# KiCad board Neptune.kicad_pcb (continued)
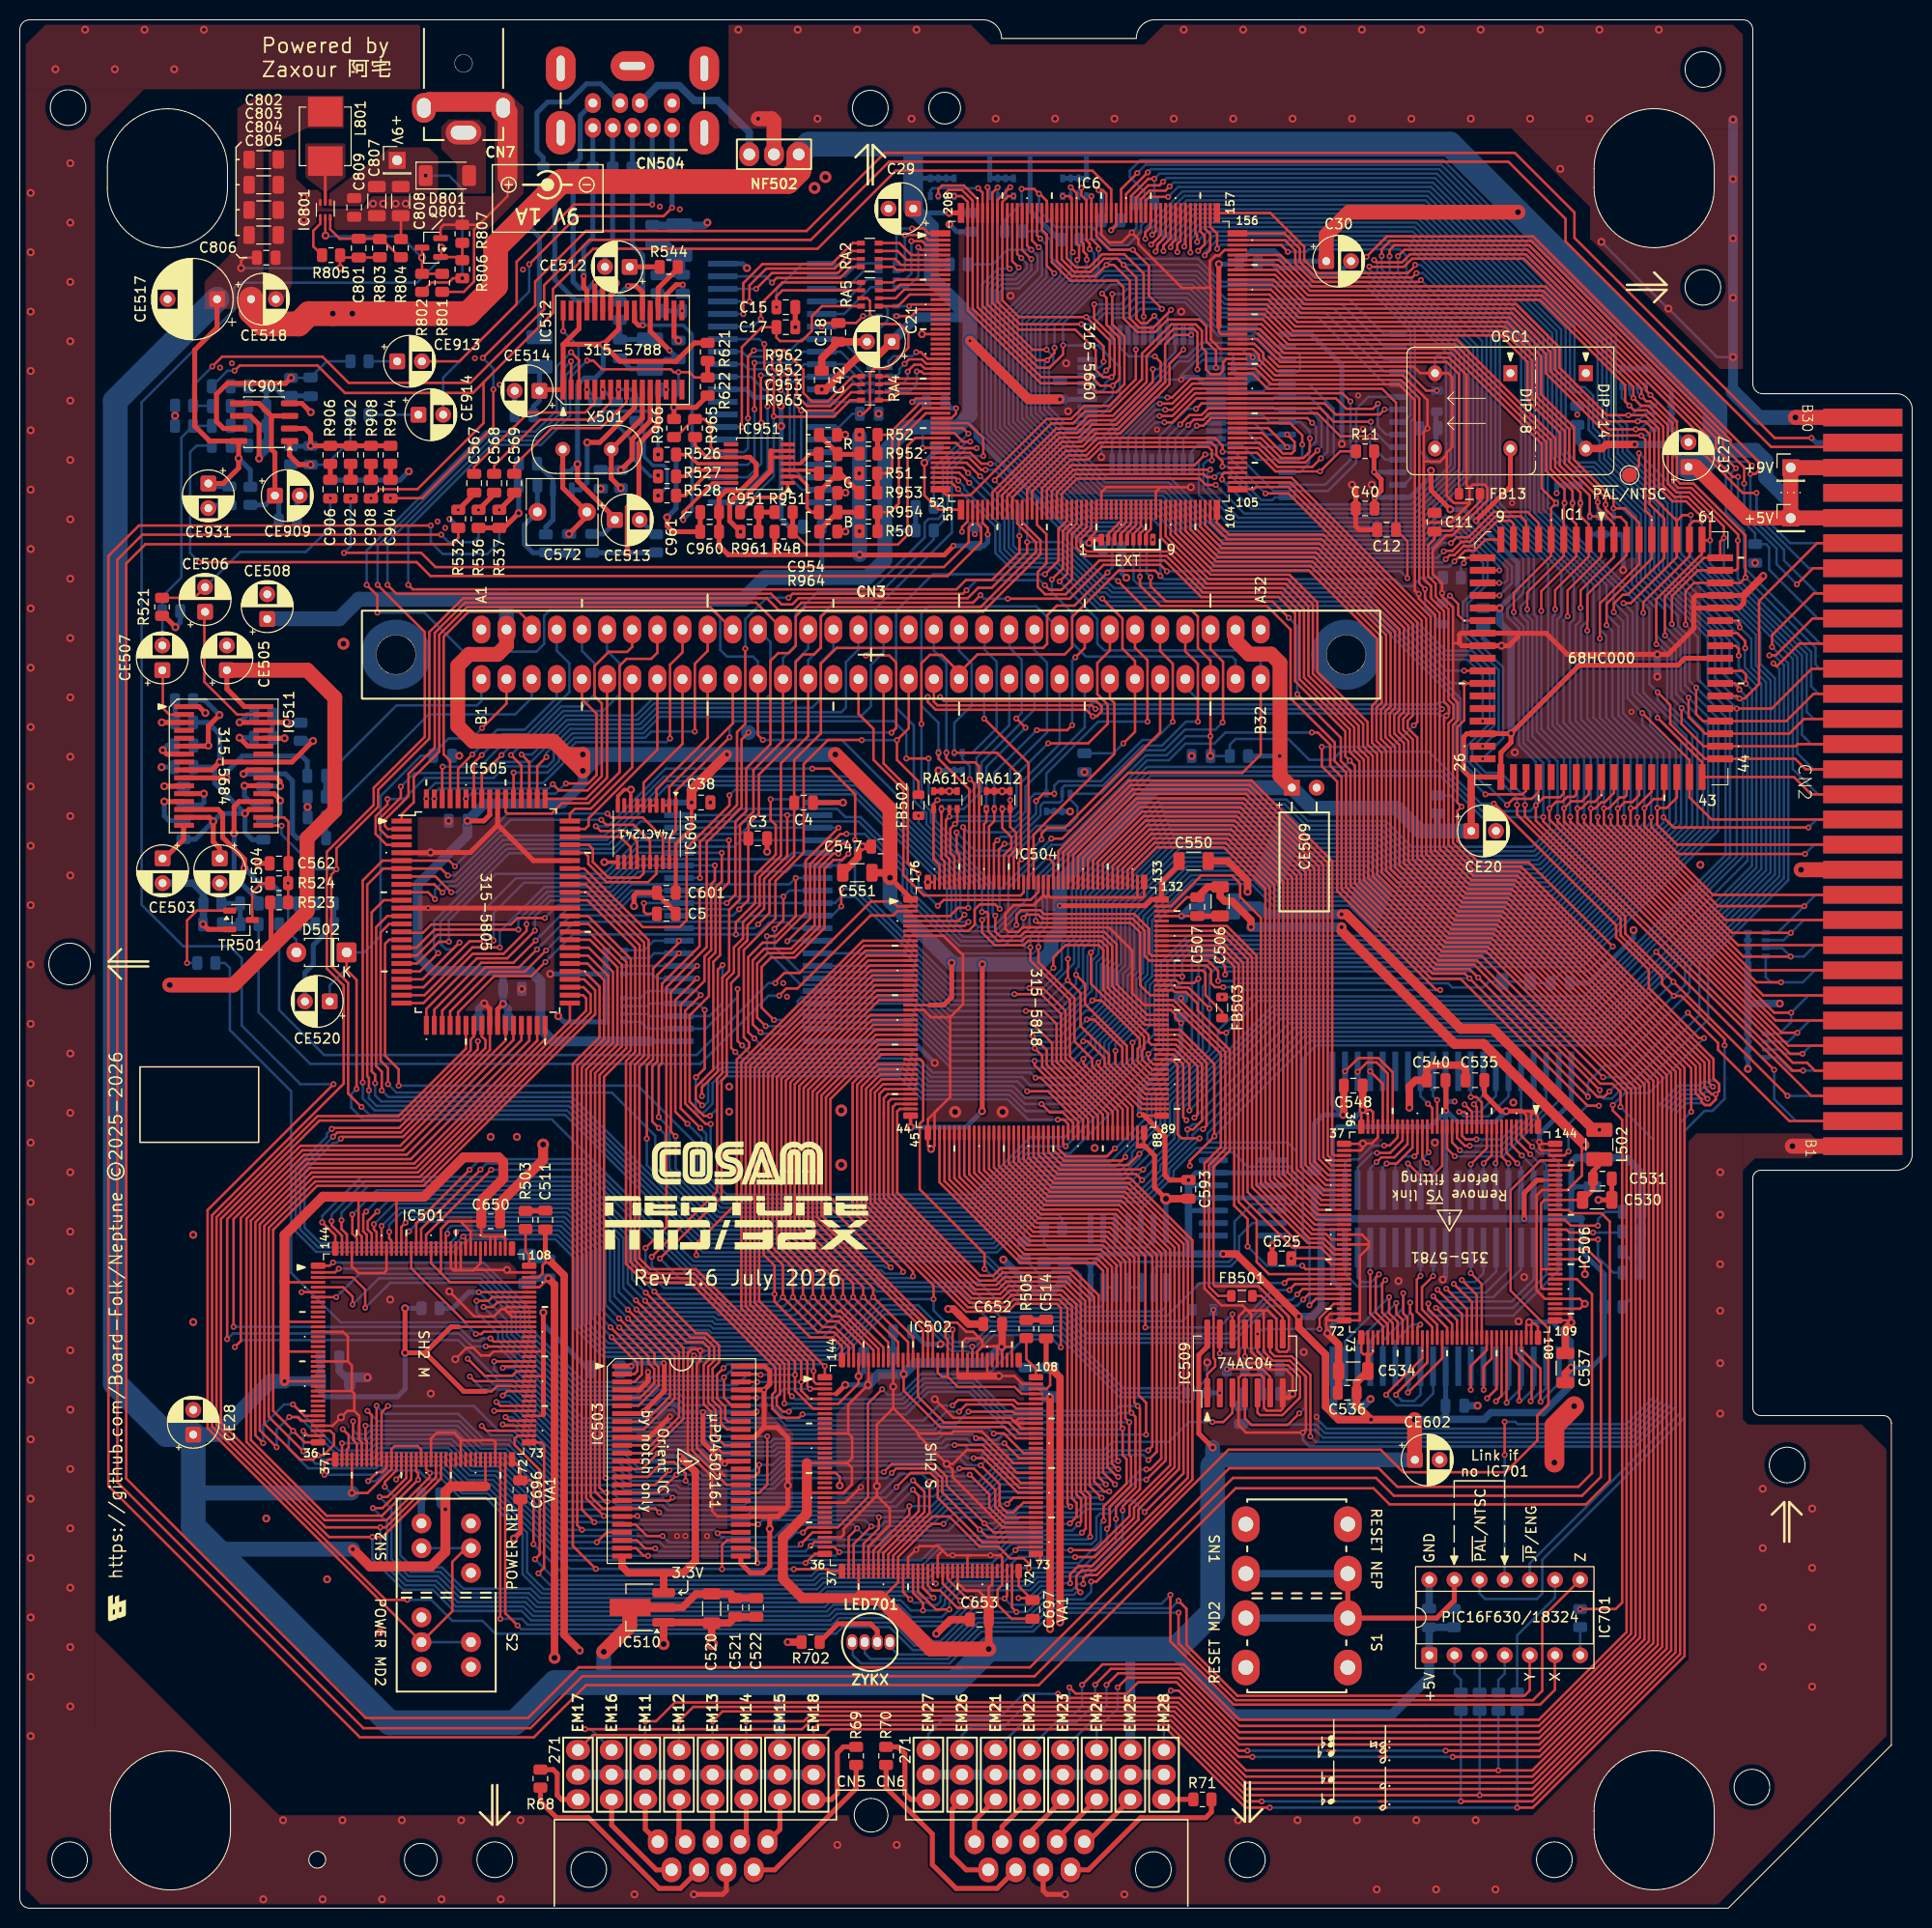
[diagram p0: board, top side]
## Routing (per net, layer and track width the routed paths; a pad name or vN(x,y) marks a point on that pad's centre or on a via; arc(x,y) is an arc through that point) (continued)
~{SHSIRL2}: length 43.5
  Top w0.25: IC504.28 86.49,88.3 80.55,82.36 80.55,69.87 91.75,58.67 IC502.127
~{SHSIRL3}: length 42.8
  Top w0.25: IC502.126 92.25,58.81 81,70.06 81,82.17 86.63,87.8 IC504.29
~{SHWAIT}: length 123.5
  Top w0.25: v1(96.6,47.52) 97.23,47.52 100.76,44 IC502.89 ; IC504.55 96.92,74.47 102.57,68.83 110.17,68.83 113.05,65.95 113.05,51.85 113.8,51.1 v1(113.8,47.88) ; v1(47.92,55.28) IC501.89
  Bottom w0.25: v1(113.8,47.88) 99.29,47.88 98.76,47.35 96.77,47.35 v1(96.6,47.52) 96.22,47.9 93.24,47.9 92.79,47.45 76.16,47.45 75.78,47.08 70.21,47.08 69.56,47.72 56.14,47.72 50.01,53.85 48.53,53.85 47.92,54.45 v1(47.92,55.28)
~{TIME}: length 34
  Top w0.25: 106.28,141.15 106.28,140.11 105.4,139.24 105.4,135.45 v1(104.28,134.32)
  Bottom w0.25: v1(104.28,134.32) 104.28,133.03 106.33,130.97 106.33,127.92 107.72,126.53 122.47,126.53 122.84,126.16 CN3.b31
~{UDS}: length 85.2
  Top w0.25: v1(104.52,165.28) 103.75,166.04 103.75,169.2 103.28,169.68 103.28,171.88 ; v1(143.87,137.17) 143.92,137.23 144.71,137.23 144.71,137.23 144.75,137.23 145.67,138.14 146.54,138.14 149.1,140.7 150.82,140.7 151.68,140.7 152.18,140.19 IC1.7
  Bottom w0.25: v1(143.87,137.17) 143.2,136.5 120.51,136.5 115.11,141.9 108.7,141.9 100.38,150.23 100.38,160.89 104.52,165.03 v1(104.52,165.28)
~{UWR}: length 302.5
  Top w0.25: v1(128.21,130.45) 126.56,132.1 115.8,132.1 114.25,133.65 v1(114.25,134.55) ; 101.28,171.88 101.28,167.63 v1(102.2,166.71) ; v1(121.78,94.38) 121.78,95.22 120.7,96.3 IC504.121 114.35,96.3 114.1,96.55 114.1,99 112.6,100.5 103.49,100.5 103.09,100.89 101.14,100.89 100.7,100.45 v1(100.7,99.4) ; v1(160.61,82.56) 160.05,82 159.42,82 v1(147.35,94.08) 146.5,94.93 142.93,94.93 134.45,103.4 134.45,114.99 133.48,115.97 133.48,118.32 v1(129.07,122.73) ; CN2.b22 181.14,130.38 177.41,126.65 v1(176.77,126.65)
  Bottom w0.25: v1(100.7,99.4) 99.05,97.75 95.12,97.75 90.1,102.77 90.1,105.15 84.94,110.31 83.42,110.31 82.6,111.12 72.6,111.12 71.97,110.5 IC2.39 ; v1(102.2,166.71) 102.2,165.61 100.8,164.2 99.21,164.2 98.57,163.57 98.57,149.48 107.96,140.1 113.03,140.1 113.85,139.28 113.85,134.95 v1(114.25,134.55) ; v1(128.21,130.45) 129.07,129.59 v1(129.07,122.73) 128.55,122.2 119.01,122.2 117.76,123.45 CN3.b29 ; v1(121.78,94.38) 122.1,94.7 146.72,94.7 v1(147.35,94.08) ; v1(176.77,126.65) 177.25,126.65 178.23,125.67 178.23,104.13 178.17,104.06 178.17,104.06 169.7,95.59 169.7,90.28 162.8,83.38 161.43,83.38 v1(160.61,82.56)
~{VPA}: length 70.5
  Top w0.25: IC6.47 95.66,146.12 v1(97.03,144.76)
  Bottom w0.25: v1(147.8,120.01) 147.8,124.65 146.23,126.23 143.71,126.23 136.94,133 110.36,133 109.9,133.46 109.31,133.46 105.42,137.35 100.77,137.35 100.38,137.75 100.38,141.41 v1(97.03,144.76)
~{VRES}: length 175.4
  Top w0.25: IC504.119 119.9,95.3 120.35,94.85 120.35,93.53 120.76,93.11 v1(121.59,93.11) ; 147.8,123.82 145.95,123.82 v1(145.94,123.83) 145.94,120.09 145.25,119.4 145.25,111.78 v1(145.67,111.35) 145.25,110.93 145.25,107.88 147.4,105.73 152.45,105.73 v1(160.95,97.22) ; v1(111.5,117.75) 112.68,118.93 CN3.b27 112.68,126.07 111.41,127.34 111.41,130.35 v1(109.38,132.39) ; v1(95.94,144.09) 94.9,145.12 IC6.49
  Bottom w0.25: v1(121.59,93.11) 122.79,93.11 123.17,93.5 144.31,93.5 144.73,93.08 147.83,93.08 148.42,93.68 D699.2 D699.1 152.75,93.53 C553.1 155.87,94.7 158.42,94.7 v1(160.95,97.22) ; v1(145.94,123.83) 144.67,123.83 136.39,132.1 109.66,132.1 v1(109.38,132.39) 109.11,132.39 105.05,136.45 100.4,136.45 99.47,137.37 99.47,140.55 v1(95.94,144.09) ; C594.2 110.5,116.75 v1(111.5,117.75) ; R611.2 144.54,112.49 v1(145.67,111.35)
~{VSYNC}: length 179
  Top w0.25: v1(63.85,65.85) 70.45,72.46 70.45,83.88 70.97,84.4 70.97,94.06 71.67,94.76 71.67,100.91 72.76,102 72.76,109.48 74.12,110.85 74.12,115.05 77.12,118.04 CN3.b13 ; v1(96.03,148.26) 95.29,148.26 94.42,149.12 IC6.41 ; v1(129.07,62.05) 129.62,62.6 IC506.66
  Bottom w0.25: v1(129.07,62.05) 128.52,61.5 126.22,61.5 122.33,57.61 107.74,57.61 105.6,59.75 99.1,59.75 96.05,62.8 86.76,62.8 86.41,63.15 65.62,63.15 63.85,64.92 v1(63.85,65.85) ; v1(96.03,148.26) 95.68,148.26 93.28,145.85 93.28,140.93 92.8,140.45 91.82,140.45 91.42,140.05 91.42,138.57 85.9,133.05 80.6,133.05 78.4,130.85 78.4,127.68 77.12,126.39 CN3.b13
~{WAIT}: length 27.6
  Top w0.25: v1(117.56,157.55) 116.17,156.16 116.17,154.06 111.18,149.07 108.71,149.07 107.41,147.77 105.45,147.77 100.28,142.6 100.28,141.15
  Bottom w0.25: IC4.21 v1(117.56,157.55)
~{WE0}: length 16.2
  Bottom w0.25: 86.78,161.95 87.4,161.95 87.67,161.68 87.67,160.5 86.85,159.67 86.85,152.85 86.27,152.27 IC7.12
~{WRES}: length 158.8
  Top w0.25: v1(161.72,81) 161.72,82.52 160.9,83.35 159.69,83.35 147.21,95.83 143.3,95.83 135.35,103.77 135.35,115.91 134.38,116.89 134.38,119.16 129.3,124.24 129.3,131.09 127.39,133 119.56,133 115.86,136.7 107.61,136.7 106.75,137.56 106.75,138.59 107.78,139.61 107.78,141.15 ; 150.03,49.22 v1(150.03,45.83)
  Bottom w0.25: v1(150.03,49.18) 151.1,49.18 151.35,48.93 162.32,48.93 165.04,51.64 165.04,77.69 v1(161.72,81) ; 150.02,33.19 150.03,33.2 v1(150.03,45.83)
~{XAS}: length 130.1
  Top w0.25: v1(85.07,118.08) 85.05,118.1 81.65,118.1 79.2,115.65 79.2,106.7 76.35,103.85 76.35,100.05 73.15,96.85 73.15,88.05 73.7,87.5 73.7,87.05 72.45,85.8 72.45,71.3 68.36,67.21 v1(68.36,66.03) ; CN3.b18 89.82,119.27 v1(88.62,118.08) 88.62,116.09 90.8,113.91 FB502.1
  Bottom w0.25: v1(88.62,118.08) v1(85.07,118.08) ; v1(68.36,66.03) 68.53,65.85 97.81,65.85 102.11,61.55 106.34,61.55 107.57,60.32 115.32,60.32 115.8,60.8 IC516.8
~{XRESET}: length 309.2
  Top w0.25: v1(34.53,81) 33.17,82.35 33.17,93.54 31.47,95.24 31.47,104.5 v1(32,105.03) 32,107.13 36.2,111.34 36.2,113.07 41.38,118.24 41.38,129.01 44.79,132.43 75.47,132.43 76.7,131.2 78.2,131.2 78.97,131.98 96.3,131.98 v1(97.06,132.74) ; v1(99.82,132.38) 106.07,132.38 109.5,135.8 115.24,135.8 v1(115.89,135.15) ; v1(26.45,109.43) 26.42,109.45 24.62,109.45 IC511.17 ; v1(119.2,77.83) 117.39,77.83 116.97,78.24 116.97,85.22 116.4,85.8 IC504.100 ; v1(140.2,134.45) 140.2,138.2 C12.1 139.05,152.2 137.65,153.6 126.1,153.6 124.57,155.12 IC6.128
  Bottom w0.25: v1(26.45,109.43) 26.45,108.55 29.97,105.03 v1(32,105.03) ; v1(115.89,135.15) 139.5,135.15 v1(140.2,134.45) ; v1(34.53,81) 35.32,80.2 55.1,80.2 69,66.3 98.72,66.3 103.79,71.37 113.31,71.37 116.12,74.19 116.12,74.73 119.2,77.8 v1(119.2,77.83) ; v1(97.06,132.74) 97.42,132.38 v1(99.82,132.38)
~{YS0}: length 234.5
  Top w0.25: v1(55.7,157.3) 56.5,156.5 IC512.3 ; v1(159.55,81.12) 158.4,81.12 145.58,93.95 142.63,93.95 133.55,103.03 133.55,114.35 132.4,115.5 132.4,117.6 131.15,118.85 v1(130.54,118.85) ; CN3.b12 74.58,118.6 v1(75.07,118.1) ; v1(36.12,130.98) 36.12,132.7 v1(35.05,133.78) ; 155.12,76.1 156.08,76.1 v1(156.47,76.5)
  Bottom w0.25: v1(35.05,133.78) 35.05,137.25 47.07,149.28 52.1,149.28 54.25,151.43 54.25,155.85 v1(55.7,157.3) ; v1(159.55,81.12) 158.35,81.12 156.47,79.25 v1(156.47,76.5) ; CN3.b12 74.58,126.02 74.07,126.53 71.45,126.53 70.78,127.2 70.78,130.45 70.03,131.2 53.53,131.2 52.97,130.65 52.97,127.8 52.2,127.03 44.82,127.03 40.88,130.98 v1(36.12,130.98) ; v1(130.54,118.85) 121.81,118.85 120.69,117.73 117.78,117.73 116.09,116.04 113.91,116.04 105.37,107.5 104.24,107.5 99.88,103.14 99.88,100.75 98.32,99.2 96.88,99.2 96.5,99.58 96.5,103.41 89.53,110.38 89.53,111.62 83.05,118.1 v1(75.07,118.1)
~{YS}: length 192.3
  Top w0.25: v1(63.22,66.75) 65.33,68.86 65.33,93.1 69.4,97.17 69.4,107.75 72.92,111.28 72.92,118.15 v1(73.62,118.85) ; IC506.67 130.25,62.1 v1(129.67,61.53) ; v1(85.49,126.64) 87.84,126.64 88.55,125.93 88.55,119.3 v1(88.07,118.83) ; v1(97.35,146.8) 97.35,148.6 95.82,150.12 IC6.39
  Bottom w0.25: v1(85.49,126.64) 86,127.15 86,130.9 94.17,139.07 94.17,145.48 95.49,146.8 v1(97.35,146.8) ; v1(88.07,118.83) 88.05,118.85 v1(73.62,118.85) ; v1(129.67,61.53) 129.05,60.9 126.25,60.9 122.51,57.16 107.55,57.16 105.41,59.3 98.07,59.3 95.03,62.35 86.58,62.35 86.23,62.7 65.1,62.7 63.22,64.58 v1(63.22,66.75)
~{ZBAK}: length 28.3
  Top w0.25: v1(114.47,155.57) 114.47,154.28 110.62,150.43 108.15,150.43 106.85,149.12 104.89,149.12 98.78,143.01 98.78,141.15
  Bottom w0.25: IC4.20 116.76,157.31 115.03,155.57 v1(114.47,155.57)
~{ZBR}: length 29.2
  Top w0.25: 99.78,141.15 99.78,142.74 105.26,148.22 107.22,148.22 108.53,149.53 110.99,149.53 115.72,154.25 115.72,158.09 116.67,159.04 v1(118.36,159.04)
~{ZRAM}: length 51.1
  Top w0.25: v1(121.52,147.24) 121.52,147.85 120.75,148.62 108.9,148.62 107.6,147.32 105.69,147.32 101.78,143.41 101.78,141.15
  Bottom w0.25: v1(121.52,147.24) 122.71,147.24 126.68,143.27 132.17,143.27 135.03,146.12 135.03,151.55 136.26,152.79 138.75,152.79
~{ZRD}: length 65
  Top w0.25: 105.28,171.88 105.28,166.67 106.52,165.43 108.22,165.43 109.54,166.75 110.9,166.75 v1(111.53,166.12) 112.81,164.84 112.81,160.7 113.28,160.23 113.88,160.23 v1(114.62,160.98)
  Bottom w0.25: v1(111.53,166.12) 119.04,166.12 121.21,163.95 136.03,163.95 140.51,159.47 140.51,150.93 139.83,150.25 IC5.22 ; IC4.18 115.16,160.44 v1(114.62,160.98)
~{ZRES}: length 37.5
  Top w0.25: 98.28,141.15 98.28,143.15 104.7,149.57 106.67,149.57 107.97,150.88 110.43,150.88 113.85,154.29 113.85,156.93 116.59,159.67 118.62,159.67 118.98,159.3 v1(118.98,155.56)
  Bottom w0.25: IC4.23 119.55,156.54 118.98,155.98 v1(118.98,155.56)
~{ZWR}: length 77.5
  Top w0.25: v1(116.32,161.57) 114.53,159.78 113.1,159.78 112.15,160.73 112.15,164.53 110.55,166.12 v1(109.8,166.12) 108.65,164.98 106.34,164.98 104.78,166.54 104.78,171.88
  Bottom w0.25: v1(116.32,161.57) 115.96,161.21 IC4.19 ; IC5.27 139.86,143.9 140.55,144.58 140.55,150.33 140.96,150.74 140.96,159.66 136.22,164.4 121.4,164.4 119.05,166.75 110.42,166.75 v1(109.8,166.12)
Net-(C511-Pad1): length 2
  Top w0.5: R503.2 53.06,70.49 C511.1
Net-(C514-Pad1): length 2
  Top w0.5: C514.1 103.66,59.46 R505.2
Net-(C526-Pad1): length 11.2
  Top w0.25: v1(121.25,56.07) 121.25,58.54
  Bottom w0.25: v1(121.25,56.07) 122.81,56.07 123.34,56.6 124.88,56.6 125.49,55.99 125.49,52.04 C526.1
Net-(C530-Pad1): length 20.4
  Top w0.25: 155.12,64.6 153.7,64.6 ; 153.7,64.6 153.7,71.25 154.05,71.6 C530.1 ; 153.7,64.6 153.7,62.8 153.9,62.6 155.12,62.6
  Top w0.5: 159.5,75.58 159.5,75.05 158.95,74.5 C531.1 158.95,72.65 C530.1
Net-(C554-Pad1): length 5.9
  Bottom w0.5: R514.2 C588.1 22.26,99.51 R513.2 C554.1
Net-(C555-Pad1): length 5.8
  Bottom w0.5: R516.2 C590.1 28.06,99.51 R515.2 C555.1
Net-(C564-Pad1): length 10.7
  Bottom w0.35: v2(64.49,146.95) 64.49,150.57 63.73,151.32 59.07,151.32 C564.1
Net-(C565-Pad1): length 7.8
  Bottom w0.35: C565.1 60.22,150.05 62.1,148.18 62.1,146.38 63.72,144.75 R527.2
  vias: v2(64.49,144.85)
Net-(C566-Pad1): length 9.9
  Bottom w0.35: C566.1 63.07,149.6 63.07,146.75 63.97,145.85 65.07,145.85 65.4,145.53 65.4,143.71 v2(64.49,142.8)
Net-(C567-Pad1): length 2.5
  Top w0.5: C567.1 45.91,142.97 v1(44.3,141.36) 44.19,141.36
Net-(C568-Pad1): length 2.5
  Top w0.5: C568.1 47.93,142.94 v1(46.35,141.36) 46.21,141.36
Net-(C569-Pad1): length 2.6
  Top w0.5: 48.24,141.36 v1(48.45,141.36) 49.95,142.87 C569.1
Net-(C570-Pad2): length 11.4
  Bottom w0.5: C570.2 C572.2 50.97,139.82 50.97,137.9 51.85,137.03 C571.1
Net-(C571-Pad2): length 10.3
  Top w0.5: X501.1 54.86,147.47 54.86,143.59 C572.1 57.3,140.73 v2(55.5,138.93)
Net-(C574-Pad1): length 5
  Bottom w0.5: R545.2 60.62,158.6 C574.1 60.66,158.59 L605.1
Net-(C577-Pad2): length 7.9
  Bottom w0.5: R547.2 66.95,165.09 66.99,165.12 66.99,166.77 L604.1 65.49,168.28 C578.1
Net-(C901-Pad2): length 1.8
  Bottom w0.25: C901.2 R901.1
Net-(C902-Pad2): length 1.6
  Top w0.5: C902.2 R902.1
Net-(C903-Pad2): length 1.8
  Bottom w0.25: C903.2 R903.1
Net-(C904-Pad2): length 1.6
  Top w0.5: C904.2 R904.1
Net-(C905-Pad2): length 1.8
  Bottom w0.25: C905.2 R905.1
Net-(C906-Pad2): length 1.6
  Top w0.5: R906.1 C906.2
Net-(C907-Pad2): length 1.8
  Bottom w0.25: C907.2 R907.2
Net-(C908-Pad2): length 1.6
  Top w0.5: C908.2 R908.1
Net-(C911-Pad2): length 20.2
  Top w0.5: IC901.7 20.59,149.59 19.88,150.3 19.88,153.05 20.98,154.15 26.85,154.15 v2(27.41,154.7)
  Bottom w0.25: R917.1 31.01,156.38 29.34,154.7 v2(27.41,154.7)
Net-(C912-Pad2): length 13.6
  Top w0.5: v2(29.38,145.93) 28.2,145.93 27.26,146.87 27.26,148.31
  Bottom w0.25: R918.1 33.41,148.39 30.95,145.93 v2(29.38,145.93)
  Bottom w0.5: v2(29.38,145.93) 29.34,145.97 R916.2
Net-(C951-Pad1): length 3.6
  Top w0.5: R951.2 C951.1 74.67,139.19 R961.1
Net-(C952-Pad1): length 4.9
  Top w0.5: 84.78,146.97 82.64,146.97 C952.1 82.61,147.08 R962.1
Net-(C953-Pad1): length 6
  Top w0.5: 82.6,145.05 82.88,145.05 84.81,143.11 R953.2 84.74,143.1 84.61,142.98 ; R963.1 80.78,143.18 82.62,145.03 C953.1
Net-(C954-Pad1): length 4.9
  Top w0.5: R964.1 80.78,139.28 C954.1 R954.2
Net-(CE512-Pad1): length 3
  Top w0.5: R544.2 64.65,165.93 CE512.1
Net-(CE513-Pad2): length 2.2
  Bottom w0.5: 62.67,140.34 64.13,138.89 R549.2
Net-(CE913-Pad1): length 2.9
  Bottom w0.25: CE913.1 R917.2
Net-(CE914-Pad1): length 5
  Bottom w0.25: R918.2 CE914.1
Net-(CN5-Pin_1): length 4.8
  Top w0.5: CN5.1 63.2,7.98 EM11.1
Net-(CN5-Pin_2): length 4.5
  Top w0.5: CN5.2 66.6,7.35 EM12.1
Net-(CN5-Pin_3): length 4.3
  Top w0.5: EM13.1 70,6.72 CN5.3
Net-(CN5-Pin_4): length 4.5
  Top w0.5: CN5.4 73.4,7.34 EM14.1
Net-(CN5-Pin_5): length 4.8
  Top w0.5: CN5.5 76.8,7.97 EM15.1
Net-(CN5-Pin_6): length 10.5
  Top w0.5: EM16.1 59.8,8.4 64.32,3.88 CN5.6
Net-(CN5-Pin_7): length 21.8
  Top w0.5: R68.2 52.6,10.8 54.25,9.15 57.45,9.15 64.6,2 66.74,2 CN5.7
Net-(CN5-Pin_9): length 16.2
  Top w0.5: CN5.9 76.28,3.88 84.5,12.1 R69.2
  Bottom w0.5: 74.18,3.9 CN5.9
Net-(CN6-Pin_1): length 5.2
  Top w0.5: CN6.1 96.47,8.87 EM21.1
Net-(CN6-Pin_2): length 5.4
  Top w0.5: CN6.2 99.24,8.24 EM22.1
Net-(CN6-Pin_3): length 5.7
  Top w0.5: EM23.1 102.01,7.61 CN6.3
Net-(CN6-Pin_4): length 5.9
  Top w0.5: EM24.1 104.78,6.98 CN6.4
Net-(CN6-Pin_5): length 6.4
  Top w0.5: CN6.5 107.92,6.72 EM25.1
Net-(CN6-Pin_6): length 10.4
  Top w0.5: EM26.1 94.2,10 94.2,5.3 95.62,3.88 CN6.6
Net-(CN6-Pin_7): length 22.2
  Top w0.5: R70.2 87.53,12.18 92.2,7.5 92.2,4.4 94.6,2 98.75,2 CN6.7
Net-(CN6-Pin_9): length 18.5
  Top w0.5: CN6.9 107.98,3.88 113.25,9.15 119.83,9.15 120.4,9.72 R71.2
  Bottom w0.5: 106.56,3.49 CN6.9
Net-(CN504-Pin_1): length 16.1
  Bottom w0.5: FB515.2 52.88,176.07 52.88,176.98 52.25,177.6 52.25,181.5 53.32,182.57 55.4,182.57 57.25,184.43 58.71,184.43 CN504.1
Net-(CN504-Pin_2): length 16
  Bottom w0.75: CN504.2 64.42,184.25 66.62,184.25 68.12,182.75 70.5,182.75 73.7,179.55 NF502.1
Net-(CN504-Pin_3): length 7.2
  Bottom w0.5: CN504.3 56.62,181.21 56.62,176.82 FB514.2
Net-(CN504-Pin_4): length 3.9
  Top w0.5: 59.9,179.98 CN504.4
  Bottom w0.5: FB516.2 59.9,179.98
Net-(CN504-Pin_5): length 3.9
  Top w0.5: 61.9,179.98 CN504.5
  Bottom w0.5: FB517.2 61.9,179.98
Net-(CN504-Pin_7): length 3.9
  Top w0.5: 57.9,179.98 CN504.7
  Bottom w0.5: FB513.2 57.9,179.98
Net-(CN504-Pin_8): length 3.9
  Top w0.5: 63.9,179.98 CN504.8
  Bottom w0.5: FB511.2 63.9,179.98
Net-(CN504-Pin_9): length 3.9
  Top w0.5: 65.9,179.98 CN504.9
  Bottom w0.5: FB510.2 65.9,179.98
Net-(D502-A): length 18.2
  Top w0.25: IC511.18 26.7,110.27 27.14,109.83 C562.2 27.11,105.59 v1(27.11,103.62) R523.1
  Bottom w0.25: v1(27.11,103.62) 27.11,103.62 27.11,98.72 27.94,97.89 D502.2
Net-(EM17-Pad1): length 6.3
  Top w0.5: EM17.1 54.72,11 54.3,11.42 54.3,13.6 53.89,14.01 R68.1
Net-(EM18-Pad1): length 8.9
  Top w0.5: R69.1 83.21,16.31 82.6,15.7 82.6,11.59 82.01,11 EM18.1
Net-(EM27-Pad1): length 8.8
  Top w0.5: R70.1 88.74,16.31 89.42,15.62 89.42,11.59 90.02,11 EM27.1
Net-(EM28-Pad1): length 3
  Top w0.5: EM28.1 R71.1
Net-(FB501-Pad1): length 5.2
  Top w0.25: FB501.1 125.42,61.9 127.6,59.73 127.6,58.54
Net-(FB505-Pad2): length 9.3
  Top w0.25: 119.98,51.62 119.98,53.97 120.78,54.77 120.78,55.44 120.61,55.62 120.61,60.47 v1(120.59,60.49)
Net-(FB506-Pad1): length 1.8
  Top w0.5: v1(121.25,52.1) 121.25,51.62
  Bottom w0.5: FB506.1 119.97,52.1 v1(121.25,52.1)
Net-(IC1-AS): length 85.7
  Top w0.25: 153.46,138.36 153.46,140.05 152.35,141.15 151.01,141.15 151,141.15 148.92,141.15 146.36,138.59 145.19,138.59 144.61,138.01 144.61,138 v1(144.61,138)
  Bottom w0.25: v1(144.61,138) 143.66,138 142.61,136.95 120.69,136.95 115.29,142.35 108.89,142.35 100.82,150.42 100.82,160.7 105.14,165.02 105.14,165.94 104.17,166.91 104.17,168.6 103.25,169.53 R75.1
Net-(IC1-CLK): length 6.1
  Top w0.25: v1(144.49,132.69) 145.33,131.85 145.33,130.73 145.89,130.17 IC1.15
  Bottom w0.25: v1(144.49,132.69) FB7.2
Net-(IC1-DTACK): length 3.9
  Top w0.25: IC1.10 146.22,136.51 145.91,136.2 v1(145.91,135.98)
  Bottom w0.25: R74.2 145.61,135.68 v1(145.91,135.98)
Net-(IC6-/CAS1): length 6.7
  Top w0.25: RA5.5 88.72,161.95 89.9,163.12 IC6.13
Net-(IC6-/OE1): length 4.7
  Top w0.25: v1(88.57,160.95) 90.07,160.95 90.75,161.62 IC6.16
Net-(IC6-/RAS1): length 6.6
  Top w0.25: IC6.12 89.36,163.62 88.49,162.75 RA5.6
Net-(IC6-/SC): length 6.5
  Top w0.25: RA5.7 88.38,163.55 88.95,164.12 IC6.11
Net-(IC6-/SE0): length 6.3
  Top w0.25: IC6.10 88.53,164.62 88.25,164.35 RA5.8
Net-(IC6-/WE0): length 4.5
  Top w0.25: v1(89.85,161.95) 90.03,162.12 IC6.15
  Bottom w0.25: v1(89.85,161.95) RA3.3
Net-(IC6-AD0): length 6.6
  Top w0.25: IC6.26 91.72,156.62 91.05,157.3 v1(90.57,157.3)
  Bottom w0.25: v1(90.57,157.3) 90.17,156.9 88.28,156.9 87.77,156.4 RA6.5
Net-(IC6-AD1): length 6.4
  Top w0.25: IC6.27 91.59,156.12 91.14,156.57 89.85,156.57 v1(89.4,156.13)
  Bottom w0.25: RA6.6 88.65,154.95 88.88,155.18 88.88,155.6 89.4,156.12 v1(89.4,156.13)
Net-(IC6-AD2): length 6.6
  Top w0.25: v1(89.71,155.33) 89.71,155.38 90.36,156.03 91.05,156.03 91.45,155.62 IC6.28
  Bottom w0.25: v1(89.71,155.33) 89.71,154.61 89.25,154.15 RA6.7
Net-(IC6-AD3): length 7
  Top w0.25: IC6.29 91.32,155.12 91.09,155.35 v1(90.62,155.35)
  Bottom w0.25: RA6.8 89.95,153.35 90.62,154.03 v1(90.62,155.35)
Net-(IC6-AD4): length 6.3
  Top w0.25: IC6.30 87.95,154.62 87.72,154.85 RA4.8
Net-(IC6-AD5): length 6.3
  Top w0.25: IC6.31 86.88,154.12 RA4.7
Net-(IC6-AD6): length 6.4
  Top w0.25: IC6.32 88.12,153.62 87.75,153.25 RA4.6
Net-(IC6-AD7): length 6.5
  Top w0.25: IC6.33 88.5,153.12 87.82,152.45 RA4.5
Net-(IC6-EDCLK): length 36
  Top w0.25: IC6.135 125.05,158.62 127.37,156.3 144.19,156.3 145.41,155.08 FB13.1
Net-(IC6-SD0): length 7.8
  Top w0.25: IC6.1 91.82,169.3 91.32,169.8 v1(90.15,169.8)
  Bottom w0.25: RA1.5 88.57,169.18 89.19,169.8 v1(90.15,169.8)
Net-(IC6-SD1): length 8.2
  Top w0.25: v1(89.42,169.15) 91.28,169.15 91.8,168.62 IC6.2
  Bottom w0.25: RA1.6 89.2,165.48 89.42,165.7 v1(89.42,169.15)
Net-(IC6-SD2): length 8.1
  Top w0.25: v1(90.07,168.53) 91.15,168.53 91.55,168.12 IC6.3
  Bottom w0.25: v1(90.07,168.53) 90.07,165.25 89.5,164.68 88.57,164.68
Net-(IC6-SD3): length 8
  Top w0.25: IC6.4 91.05,167.62 v1(90.78,167.9)
  Bottom w0.25: RA1.8 89.7,163.88 90.78,164.95 v1(90.78,167.9)
Net-(IC6-SD4): length 6.7
  Top w0.25: RA2.8 88.88,168.32 90.07,167.12 IC6.5
Net-(IC6-SD5): length 6.6
  Top w0.25: IC6.6 89.6,166.62 88.7,167.53 RA2.7
Net-(IC6-SD6): length 6.5
  Top w0.25: IC6.7 89.05,166.12 88.45,166.73 RA2.6
Net-(IC6-SD7): length 6.4
  Top w0.25: RA2.5 88.28,165.93 88.57,165.62 IC6.8
Net-(IC6-SPA/B): length 11.9
  Top w0.25: v1(95.85,149.07) 95.29,149.62 IC6.40
  Bottom w0.25: v1(95.85,149.07) 92.34,145.55 R12.2
Net-(IC501-CAP1): length 3.9
  Top w0.25: R503.1 51.1,66.4 51.46,66.04 IC501.108
Net-(IC501-FTOA): length 16.1
  Top w0.25: IC501.97 44.97,59.28 39.55,64.7 IC501.129
Net-(IC502-CAP1): length 4.4
  Top w0.25: IC502.108 102.66,54.54 101.7,55.5 R505.1
Net-(IC502-FTOA): length 17.1
  Top w0.25: IC502.97 100.97,48 99.88,49.1 93.38,49.1 90.75,51.72 IC502.129
Net-(IC504A-AVDD): length 8.6
  Top w0.25: IC504.129 C507.1
  Top w0.5: C507.1 C506.1
  Bottom w0.75: L501.2 118.38,101.28 117.38,100.28
  vias: v1(117.38,100.3)
Net-(IC504A-CKIO): length 48.9
  Top w0.25: v1(97.47,64.62) 97.47,66.12 90.92,72.68 90.92,79.3 91.28,79.65 91.28,85.55 91.03,85.8 IC504.33
  Bottom w0.25: v1(97.47,64.62) 97.52,64.62 101.5,60.65 105.97,60.65 107.27,59.35 117.47,59.35 118.47,60.35 FB505.1
Net-(IC504A-OVA19): length 76.3
  Top w0.25: v1(41.95,102) 41.25,102.7 IC505.10 ; v1(95.82,101.12) 94.8,101.12 93.97,100.3 IC504.4
  Bottom w0.25: v1(95.82,101.12) 95.82,103.45 84.87,114.4 79.91,114.4 79.91,114.4 65.08,114.4 59.12,108.45 48.64,108.45 43.97,103.78 42.78,103.78 41.95,102.95 v1(41.95,102)
Net-(IC504A-OVA20): length 74.8
  Top w0.25: IC504.5 94.83,99.8 v1(95.45,100.42) ; IC505.9 41.88,103.5 v1(42.7,102.68)
  Bottom w0.25: v1(42.7,102.68) 42.7,102.68 43.34,103.33 44.15,103.33 48.82,108 59.31,108 65.26,113.95 84.68,113.95 95.03,103.61 95.03,100.84 v1(95.45,100.42)
Net-(IC504A-OVA21): length 76
  Top w0.25: v1(95.85,99.7) 95.45,99.3 IC504.6 ; v1(43.6,102.7) 42,104.3 IC505.8
  Bottom w0.25: v1(95.85,99.7) 95.07,99.7 94.57,100.2 94.57,103.42 84.5,113.5 65.45,113.5 59.5,107.55 49.01,107.55 44.16,102.7 v1(43.6,102.7)
Net-(IC504A-VCLK): length 35.7
  Top w0.25: FB501.2 121.09,61.9 120.15,62.84 120.15,75.11 121.8,76.76 121.8,86.57 116.57,91.8 IC504.112
Net-(IC504A-~{ASEL}): length 9.8
  Top w0.25: FB503.2 121.47,90.62 119.8,92.3 119.8,94.5 119.5,94.8 IC504.118
Net-(IC504A-~{AS}): length 38.8
  Top w0.25: IC504.108 113.79,89.8 110.38,93.21 110.38,97.26 109.39,98.25 101.71,98.25 101.26,97.8 98.8,97.8 97.85,98.75 97.85,100.53 97.67,100.71 v1(97.22,100.71)
  Bottom w0.25: v1(97.22,100.71) 97.22,103.33 90.8,109.74 v1(90.8,110.44)
Net-(IC504A-~{SEL}): length 76.3
  Top w0.25: IC505.58 57.03,105.1 62.95,99.18 66.67,99.18 67.38,99.88 67.38,107.18 71.7,111.5 v1(71.7,112.5) ; v1(103.87,106.25) 104.42,105.7 104.42,103.72
  Bottom w0.25: v1(103.87,106.25) 101.78,104.16 101.78,102.01 98.51,98.75 95.39,98.75 94.12,100.01 94.12,103.24 84.31,113.05 72.25,113.05 v1(71.7,112.5)
Net-(IC504B-ACCS): length 47.7
  Top w0.25: v1(128.88,67.57) 124.05,72.4 124.05,95.93 121.68,98.3 IC504.125 ; v1(128.46,65.69) 128.47,65.68 131.91,65.68 132.49,65.1 IC506.61
  Bottom w0.25: v1(128.46,65.69) 128.88,66.11 v1(128.88,67.57)
Net-(IC504B-AD0): length 56.8
  Top w0.25: IC506.54 130.7,68.6 125.85,73.45 125.85,103.05 121.65,107.25 114.88,107.25 112.42,104.8 112.42,103.72
Net-(IC504B-AD1): length 57.6
  Top w0.25: 111.92,103.72 111.92,104.94 114.69,107.7 121.84,107.7 126.3,103.24 126.3,73.64 130.84,69.1 IC506.53
Net-(IC504B-AD2): length 58.3
  Top w0.25: IC506.52 130.97,69.6 126.75,73.82 126.75,103.43 122.03,108.15 114.5,108.15 111.42,105.07 111.42,103.72
Net-(IC504B-AD3): length 59.1
  Top w0.25: 110.92,103.72 110.92,105.21 114.32,108.6 122.21,108.6 127.2,103.61 127.2,74.01 131.11,70.1 IC506.51
Net-(IC504B-AD4): length 59.8
  Top w0.25: IC506.50 131.25,70.6 127.65,74.2 127.65,103.8 122.4,109.05 114.13,109.05 110.42,105.35 110.42,103.72
Net-(IC504B-AD5): length 60.5
  Top w0.25: IC506.49 131.38,71.1 128.1,74.38 128.1,103.99 122.59,109.5 113.94,109.5 109.92,105.48 109.92,103.72
Net-(IC504B-AD6): length 61.3
  Top w0.25: 109.42,103.72 109.42,105.62 113.76,109.95 122.77,109.95 128.55,104.17 128.55,74.57 131.52,71.6 IC506.48
Net-(IC504B-AD7): length 62
  Top w0.25: 108.92,103.72 108.92,105.75 113.57,110.4 122.96,110.4 129,104.36 129,74.75 131.65,72.1 IC506.47
Net-(IC504B-AD8): length 62.8
  Top w0.25: IC506.46 131.79,72.6 129.45,74.94 129.45,104.55 123.15,110.85 113.38,110.85 108.42,105.89 108.42,103.72
Net-(IC504B-AD9): length 63.5
  Top w0.25: 107.92,103.72 107.92,106.03 113.2,111.3 123.33,111.3 129.9,104.73 129.9,75.13 131.93,73.1 IC506.45
Net-(IC504B-AD10): length 64.3
  Top w0.25: IC506.44 132.06,73.6 130.35,75.31 130.35,104.92 123.52,111.75 113.01,111.75 107.42,106.16 107.42,103.72
Net-(IC504B-AD11): length 65
  Top w0.25: 106.92,103.72 106.92,106.3 112.82,112.2 123.7,112.2 130.8,105.1 130.8,75.5 132.2,74.1 IC506.43
Net-(IC504B-AD12): length 65.7
  Top w0.25: IC506.42 132.39,74.6 131.25,75.74 131.25,105.29 123.89,112.65 112.64,112.65 106.42,106.44 106.42,103.72
Net-(IC504B-AD13): length 66.5
  Top w0.25: IC506.41 132.53,75.1 131.7,75.93 131.7,105.48 124.08,113.1 112.45,113.1 105.92,106.57 105.92,103.72
Net-(IC504B-AD14): length 67.2
  Top w0.25: 105.42,103.72 105.42,106.71 112.27,113.55 124.26,113.55 132.15,105.66 132.15,76.11 132.66,75.6 IC506.40
Net-(IC504B-AD15): length 68
  Top w0.25: IC506.39 132.8,76.1 132.6,76.3 132.6,105.85 124.45,114 112.08,114 104.92,106.85 104.92,103.72
Net-(IC504B-C23): length 51.5
  Top w0.25: IC504.131 116.28,101.3 119.38,104.4 122.47,104.4 123.3,103.58 123.3,102.22 125.4,100.12 125.4,73.26 130.51,68.15 131.99,68.15 132.54,67.6 IC506.56
Net-(IC504B-DIR): length 45.6
  Top w0.25: IC504.126 121.82,98.8 124.5,96.12 124.5,72.89 130.14,67.25 131.61,67.25 132.76,66.1 IC506.59
Net-(IC504B-HINT): length 47.6
  Top w0.25: v1(124.05,66.89) 124.05,69.68 122.7,71.03 122.7,95.2 121.1,96.8 IC504.122 ; IC506.62 129.92,64.6 v1(129.57,64.95)
  Bottom w0.25: v1(129.57,64.95) 126,64.95 v1(124.05,66.89)
Net-(IC504B-RW): length 45.6
  Top w0.25: IC504.127 121.96,99.3 124.95,96.31 124.95,73.08 130.33,67.7 131.8,67.7 132.9,66.6 IC506.58
Net-(IC504B-VACK): length 45.7
  Top w0.25: IC504.124 121.37,97.8 123.6,95.57 123.6,71.79 128.59,66.8 131.43,66.8 132.63,65.6 IC506.60
